# KiCad board SparkFun_RTK_Facet_mosaic_panelized.kicad_pcb (continued)
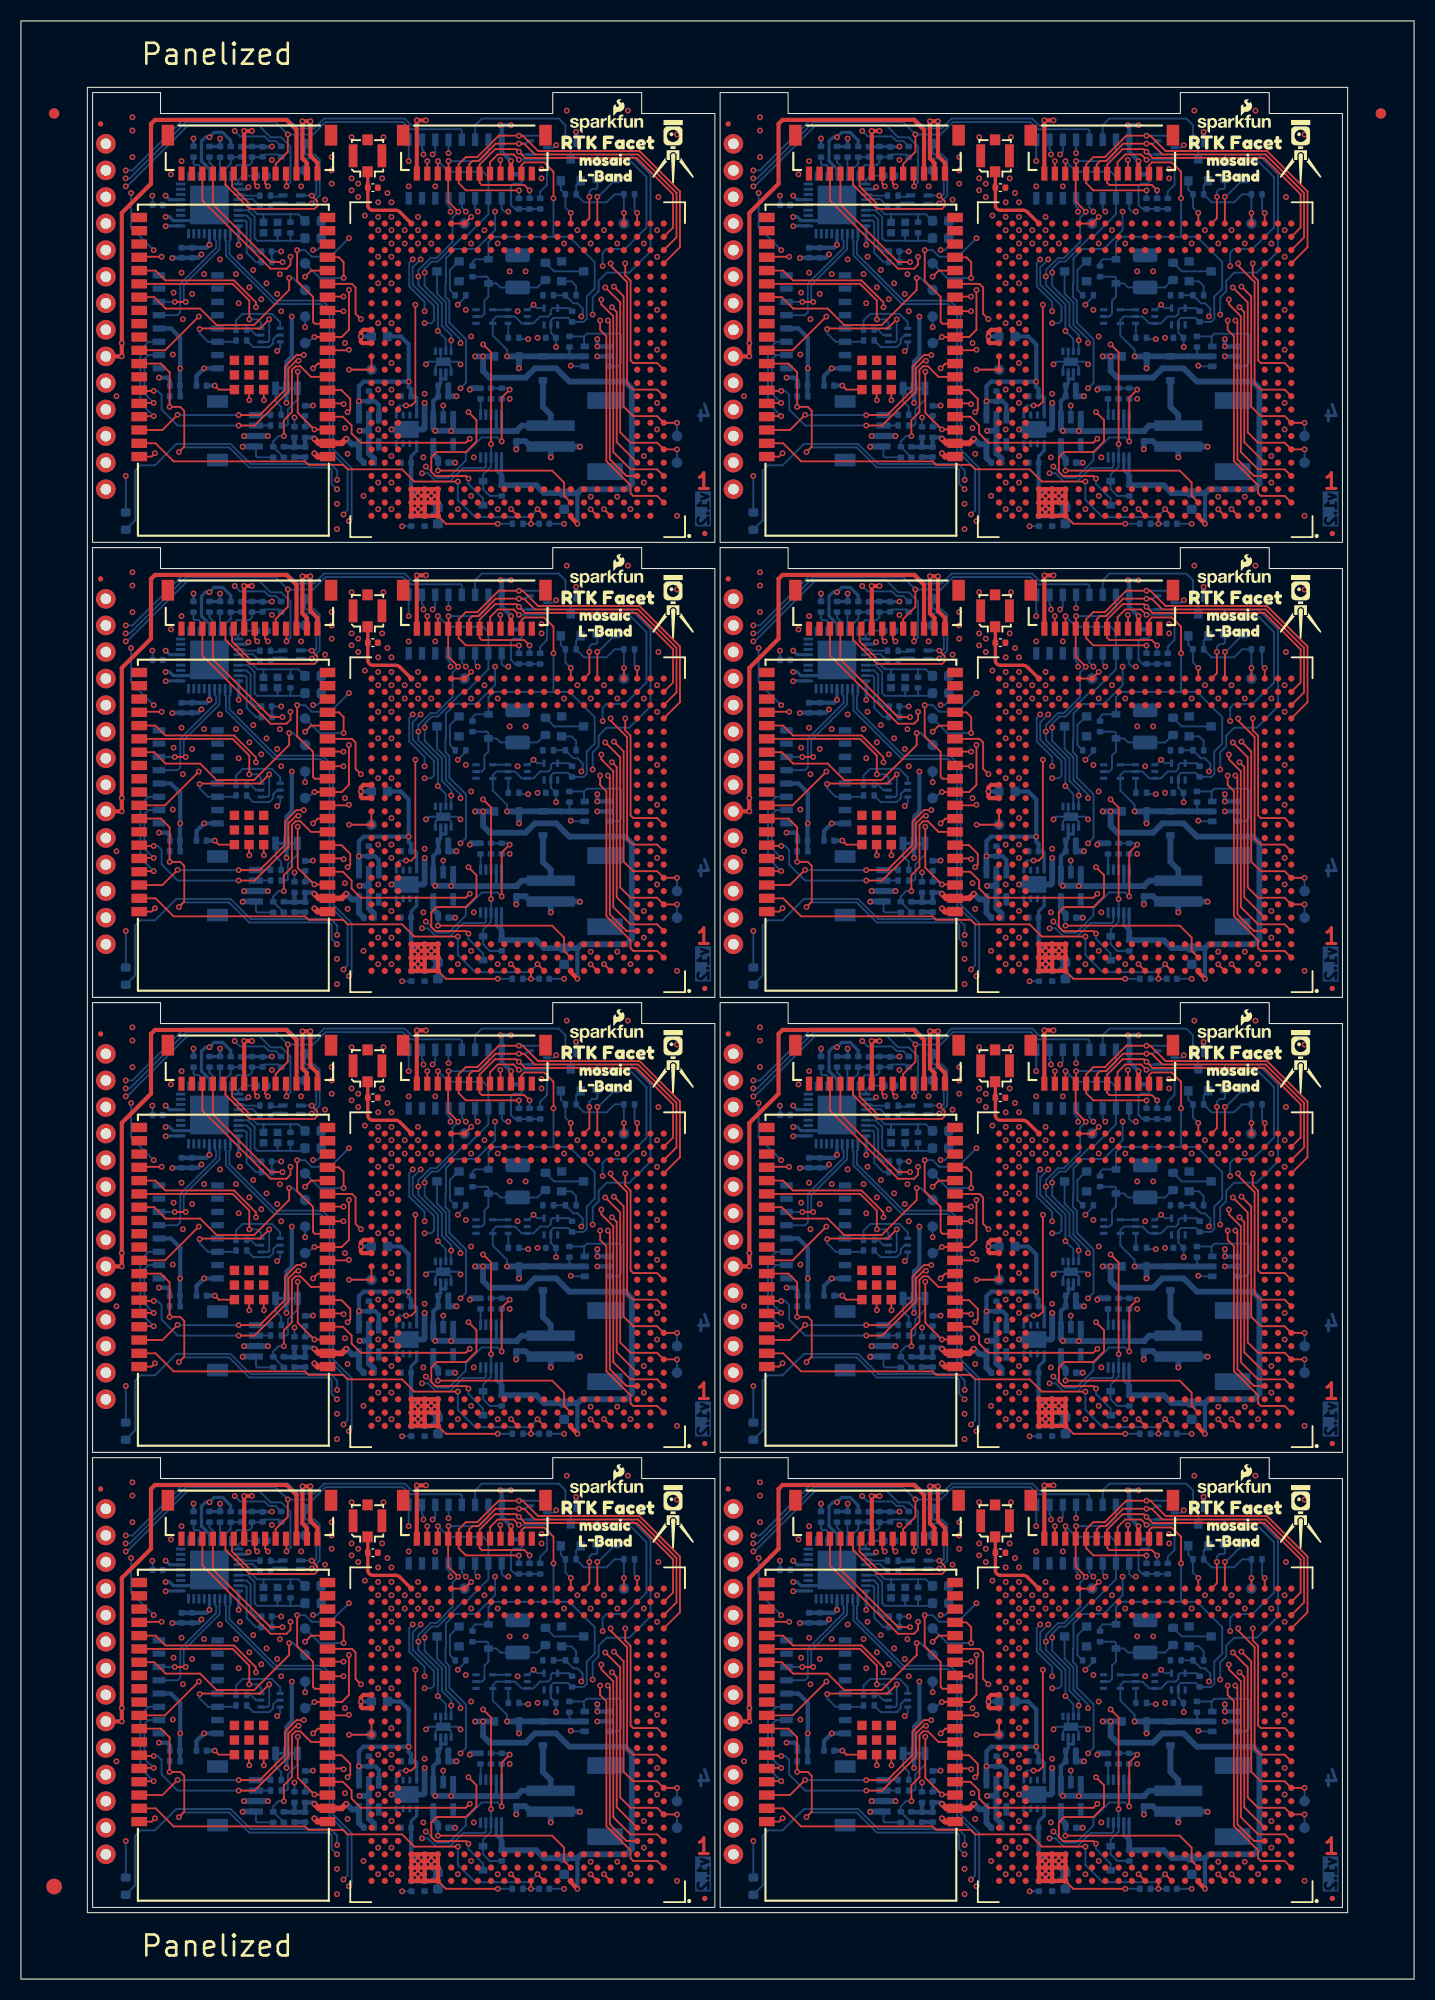
[diagram p0: board, top side]
## Routing (per net, layer and track width the routed paths; a pad name or vN(x,y) marks a point on that pad's centre or on a via; arc(x,y) is an arc through that point) (continued)
MTX3: length 288.6
  Top w0.178: v1(57.78,120.52) 57.78,119.38 58.28,118.87 58.28,111.25 58.54,111 60.82,111 U2#8.M1 ; v1(117.78,120.52) 117.78,119.38 118.28,118.87 118.28,111.25 118.54,111 120.82,111 U2#6.M1 ; U2#4.M1 60.82,24 58.54,24 58.28,24.25 58.28,31.87 57.78,32.38 v1(57.78,33.52) ; v1(57.78,77.02) 57.78,75.88 58.28,75.37 58.28,67.75 58.54,67.5 60.82,67.5 U2#5.M1 ; U2#7.M1 60.82,154.5 58.54,154.5 58.28,154.75 58.28,162.37 57.78,162.88 v1(57.78,164.02) ; U2.M1 120.82,154.5 118.54,154.5 118.28,154.75 118.28,162.37 117.78,162.88 v1(117.78,164.02) ; U2#2.M1 120.82,67.5 118.54,67.5 118.28,67.75 118.28,75.37 117.78,75.88 v1(117.78,77.02) ; v1(117.78,33.52) 117.78,32.38 118.28,31.87 118.28,24.25 118.54,24 120.82,24 U2#3.M1
  In2.Cu w0.178: v1(40.89,131.06) 42.41,131.06 51.57,121.9 57.28,121.9 57.78,121.41 v1(57.78,120.52) ; v1(57.78,33.52) 57.78,34.41 57.28,34.9 51.57,34.9 42.41,44.06 v1(40.89,44.06) ; v1(57.78,164.02) 57.78,164.91 57.28,165.4 51.57,165.4 42.41,174.56 v1(40.89,174.56) ; v1(100.89,87.56) 102.41,87.56 111.57,78.4 117.28,78.4 117.78,77.91 v1(117.78,77.02) ; v1(117.78,120.52) 117.78,121.41 117.28,121.9 111.57,121.9 102.41,131.06 v1(100.89,131.06) ; v1(57.78,77.02) 57.78,77.91 57.28,78.4 51.57,78.4 42.41,87.56 v1(40.89,87.56) ; v1(100.89,174.56) 102.41,174.56 111.57,165.4 117.28,165.4 117.78,164.91 v1(117.78,164.02) ; v1(100.89,44.06) 102.41,44.06 111.57,34.9 117.28,34.9 117.78,34.41 v1(117.78,33.52)
  Bottom w0.178: v1(40.89,44.06) U13#4.12 ; v1(40.89,131.06) U13#7.12 ; v1(100.89,131.06) U13.12 ; v1(40.89,87.56) U13#8.12 ; v1(40.89,174.56) U13#2.12 ; v1(100.89,87.56) U13#6.12 ; v1(100.89,174.56) U13#5.12 ; v1(100.89,44.06) U13#3.12
POWER_BTN: length 685.6
  Top w0.178: v1(50.92,126.74) 50.92,129.28 50.03,130.17 48.12,130.17 47.85,129.9 J4#5.2 ; J4#3.2 107.85,129.9 108.12,130.17 110.03,130.17 110.92,129.28 v1(110.92,126.74) ; v1(110.92,170.24) 110.92,172.78 110.03,173.67 108.12,173.67 107.85,173.4 J4#8.2 ; J4#2.2 47.85,86.4 48.12,86.67 50.03,86.67 50.92,85.78 v1(50.92,83.24) ; J4#4.2 47.85,173.4 48.12,173.67 50.03,173.67 50.92,172.78 v1(50.92,170.24) ; J4.2 107.85,86.4 108.12,86.67 110.03,86.67 110.92,85.78 v1(110.92,83.24) ; J4#7.2 107.85,42.9 108.12,43.17 110.03,43.17 110.92,42.28 v1(110.92,39.74) ; J4#6.2 47.85,42.9 48.12,43.17 50.03,43.17 50.92,42.28 v1(50.92,39.74)
  In2.Cu w0.178: v1(111.17,25.52) 111.17,24.63 109.28,22.74 93.53,22.74 92.06,21.26 85.84,21.26 82.53,24.57 75.55,24.57 72.94,27.17 TP12#6.1 ; v1(51.17,112.52) 51.17,111.63 49.28,109.74 33.53,109.74 32.06,108.26 25.84,108.26 22.53,111.57 15.55,111.57 12.94,114.17 TP12.1 ; TP12#4.1 12.94,27.17 15.55,24.57 22.53,24.57 25.84,21.26 32.06,21.26 33.53,22.74 49.28,22.74 51.17,24.63 v1(51.17,25.52) ; v1(51.17,156.02) 51.17,155.13 49.28,153.24 33.53,153.24 32.06,151.76 25.84,151.76 22.53,155.07 15.55,155.07 12.94,157.67 TP12#5.1 ; v1(111.17,69.02) 111.17,68.13 109.28,66.24 93.53,66.24 92.06,64.76 85.84,64.76 82.53,68.07 75.55,68.07 72.94,70.67 TP12#8.1 ; TP12#3.1 72.94,157.67 75.55,155.07 82.53,155.07 85.84,151.76 92.06,151.76 93.53,153.24 109.28,153.24 111.17,155.13 v1(111.17,156.02) ; v1(111.17,112.52) 111.17,111.63 109.28,109.74 93.53,109.74 92.06,108.26 85.84,108.26 82.53,111.57 75.55,111.57 72.94,114.17 TP12#7.1 ; TP12#2.1 12.94,70.67 15.55,68.07 22.53,68.07 25.84,64.76 32.06,64.76 33.53,66.24 49.28,66.24 51.17,68.13 v1(51.17,69.02)
  Bottom w0.178: v1(110.92,126.74) 110.92,123.06 ; 110.92,123.06 112.44,123.06 114.86,120.65 114.86,118.11 114.09,117.34 114.09,115.68 114.11,115.67 114.11,115.24 113.8,114.93 R22#8.2 112.7,114.93 112.32,115.31 110.92,115.31 110.66,115.06 U6#8.2 110.66,113.89 111.17,113.38 v1(111.17,112.52) ; 110.92,123.06 105.2,123.06 104.7,122.55 D5#6.A 103.43,120.91 103.17,120.65 R33#6.2 ; 110.92,36.06 112.44,36.06 114.86,33.65 114.86,31.11 114.09,30.34 114.09,28.68 114.11,28.67 114.11,28.24 113.8,27.93 R22#5.2 112.7,27.93 112.32,28.31 110.92,28.31 110.66,28.06 U6#7.2 110.66,26.89 111.17,26.38 v1(111.17,25.52) ; 110.92,36.06 v1(110.92,39.74) ; 110.92,36.06 105.2,36.06 104.7,35.55 D5.A 103.43,33.91 103.17,33.65 R33#2.2 ; 110.92,79.56 105.2,79.56 104.7,79.05 D5#7.A 103.43,77.41 103.17,77.15 R33#8.2 ; 110.92,79.56 v1(110.92,83.24) ; 110.92,79.56 112.44,79.56 114.86,77.15 114.86,74.61 114.09,73.84 114.09,72.18 114.11,72.17 114.11,71.74 113.8,71.43 R22#7.2 112.7,71.43 112.32,71.81 110.92,71.81 110.66,71.56 U6#3.2 110.66,70.39 111.17,69.88 v1(111.17,69.02) ; v1(51.17,156.02) 51.17,156.88 50.66,157.39 U6#2.2 50.66,158.56 50.92,158.81 52.32,158.81 52.7,158.43 R22#2.2 53.8,158.43 54.11,158.74 54.11,159.17 54.09,159.18 54.09,160.84 54.86,161.61 54.86,164.15 52.44,166.56 50.92,166.56 ; v1(50.92,39.74) 50.92,36.06 ; 50.92,36.06 52.44,36.06 54.86,33.65 54.86,31.11 54.09,30.34 54.09,28.68 54.11,28.67 54.11,28.24 53.8,27.93 R22.2 52.7,27.93 52.32,28.31 50.92,28.31 50.66,28.06 U6#4.2 50.66,26.89 51.17,26.38 v1(51.17,25.52) ; 50.92,36.06 45.2,36.06 44.7,35.55 D5#5.A 43.43,33.91 43.17,33.65 R33#4.2 ; R33#5.2 103.17,164.15 103.43,164.41 D5#2.A 104.7,166.05 105.2,166.56 110.92,166.56 ; 50.92,123.06 52.44,123.06 54.86,120.65 54.86,118.11 54.09,117.34 54.09,115.68 54.11,115.67 54.11,115.24 53.8,114.93 R22#3.2 52.7,114.93 52.32,115.31 50.92,115.31 50.66,115.06 U6#6.2 50.66,113.89 51.17,113.38 v1(51.17,112.52) ; 50.92,123.06 v1(50.92,126.74) ; 50.92,123.06 45.2,123.06 44.7,122.55 D5#3.A 43.43,120.91 43.17,120.65 R33#7.2 ; v1(50.92,170.24) 50.92,166.56 ; 50.92,166.56 45.2,166.56 44.7,166.05 D5#8.A 43.43,164.41 43.17,164.15 R33#3.2 ; R33.2 43.17,77.15 43.43,77.41 D5#4.A 44.7,79.05 45.2,79.56 50.92,79.56 ; v1(111.17,156.02) 111.17,156.88 110.66,157.39 U6.2 110.66,158.56 110.92,158.81 112.32,158.81 112.7,158.43 R22#4.2 113.8,158.43 114.11,158.74 114.11,159.17 114.09,159.18 114.09,160.84 114.86,161.61 114.86,164.15 112.44,166.56 110.92,166.56 ; v1(51.17,69.02) 51.17,69.88 50.66,70.39 U6#5.2 50.66,71.56 50.92,71.81 52.32,71.81 52.7,71.43 R22#6.2 53.8,71.43 54.11,71.74 54.11,72.17 54.09,72.18 54.09,73.84 54.86,74.61 54.86,77.15 52.44,79.56 50.92,79.56 ; v1(110.92,170.24) 110.92,166.56 ; 50.92,79.56 v1(50.92,83.24)
SD_CLK: length 245.1
  Top w0.178: J4#5.7 42.85,129.98 43.17,130.3 43.72,130.3 45.39,131.97 v1(47.62,131.97) 48.11,131.97 49.14,130.93 59.01,130.93 62.68,127.26 62.68,123.01 U2#8.AA1 ; J4#2.7 42.85,86.48 43.17,86.8 43.72,86.8 45.39,88.47 v1(47.62,88.47) 48.11,88.47 49.14,87.43 59.01,87.43 62.68,83.76 62.68,79.51 U2#5.AA1 ; J4#6.7 42.85,42.98 43.17,43.3 43.72,43.3 45.39,44.97 v1(47.62,44.97) 48.11,44.97 49.14,43.93 59.01,43.93 62.68,40.26 62.68,36.01 U2#4.AA1 ; U2.AA1 122.68,166.51 122.68,170.76 119.01,174.43 109.14,174.43 108.11,175.47 v1(107.62,175.47) 105.39,175.47 103.72,173.8 103.17,173.8 102.85,173.48 J4#8.7 ; U2#2.AA1 122.68,79.51 122.68,83.76 119.01,87.43 109.14,87.43 108.11,88.47 v1(107.62,88.47) 105.39,88.47 103.72,86.8 103.17,86.8 102.85,86.48 J4.7 ; J4#7.7 102.85,42.98 103.17,43.3 103.72,43.3 105.39,44.97 v1(107.62,44.97) 108.11,44.97 109.14,43.93 119.01,43.93 122.68,40.26 122.68,36.01 U2#3.AA1 ; U2#6.AA1 122.68,123.01 122.68,127.26 119.01,130.93 109.14,130.93 108.11,131.97 v1(107.62,131.97) 105.39,131.97 103.72,130.3 103.17,130.3 102.85,129.98 J4#3.7 ; J4#4.7 42.85,173.48 43.17,173.8 43.72,173.8 45.39,175.47 v1(47.62,175.47) 48.11,175.47 49.14,174.43 59.01,174.43 62.68,170.76 62.68,166.51 U2#7.AA1
  Bottom w0.178: v1(107.62,175.47) 108.25,175.47 108.52,175.73 D2#2.5 ; D2#6.5 108.52,45.23 108.25,44.97 v1(107.62,44.97) ; D2.5 48.52,88.73 48.25,88.47 v1(47.62,88.47) ; D2#8.5 48.52,45.23 48.25,44.97 v1(47.62,44.97) ; D2#5.5 108.52,132.23 108.25,131.97 v1(107.62,131.97) ; D2#7.5 48.52,132.23 48.25,131.97 v1(47.62,131.97) ; v1(47.62,175.47) 48.25,175.47 48.52,175.73 D2#3.5 ; v1(107.62,88.47) 108.25,88.47 108.52,88.73 D2#4.5
SD_CMD: length 272.7
  Top w0.178: U2#8.AB1 62.35,123.95 62.35,127.12 58.87,130.6 48.2,130.6 v1(47.62,131.19) 47.36,131.44 45.33,131.44 43.85,129.96 J4#5.6 43.85,128.22 44.06,128.01 48.12,128.01 v1(48.63,127.5) ; v1(48.63,40.5) 48.12,41.01 44.06,41.01 43.85,41.22 J4#6.6 43.85,42.96 45.33,44.44 47.36,44.44 v1(47.62,44.19) 48.2,43.6 58.87,43.6 62.35,40.12 62.35,36.95 U2#4.AB1 ; U2#6.AB1 122.35,123.95 122.35,127.12 118.87,130.6 108.2,130.6 v1(107.62,131.19) 107.36,131.44 105.33,131.44 103.85,129.96 J4#3.6 103.85,128.22 104.06,128.01 108.12,128.01 v1(108.63,127.5) ; U2#2.AB1 122.35,80.45 122.35,83.62 118.87,87.1 108.2,87.1 v1(107.62,87.69) 107.36,87.94 105.33,87.94 103.85,86.46 J4.6 103.85,84.72 104.06,84.51 108.12,84.51 v1(108.63,84) ; v1(48.63,84) 48.12,84.51 44.06,84.51 43.85,84.72 J4#2.6 43.85,86.46 45.33,87.94 47.36,87.94 v1(47.62,87.69) 48.2,87.1 58.87,87.1 62.35,83.62 62.35,80.45 U2#5.AB1 ; v1(48.63,171) 48.12,171.51 44.06,171.51 43.85,171.72 J4#4.6 43.85,173.46 45.33,174.94 47.36,174.94 v1(47.62,174.69) 48.2,174.1 58.87,174.1 62.35,170.62 62.35,167.45 U2#7.AB1 ; U2.AB1 122.35,167.45 122.35,170.62 118.87,174.1 108.2,174.1 v1(107.62,174.69) 107.36,174.94 105.33,174.94 103.85,173.46 J4#8.6 103.85,171.72 104.06,171.51 108.12,171.51 v1(108.63,171) ; U2#3.AB1 122.35,36.95 122.35,40.12 118.87,43.6 108.2,43.6 v1(107.62,44.19) 107.36,44.44 105.33,44.44 103.85,42.96 J4#7.6 103.85,41.22 104.06,41.01 108.12,41.01 v1(108.63,40.5)
  Bottom w0.178: D2#6.4 107.87,43.93 v1(107.62,44.19) ; v1(107.62,174.69) 107.87,174.43 D2#2.4 ; v1(47.62,44.19) 47.87,43.93 D2#8.4 ; v1(107.62,131.19) 107.87,130.93 D2#5.4 ; v1(108.63,171) R37#3.2 ; D2#3.4 47.87,174.43 v1(47.62,174.69) ; v1(47.62,87.69) 47.87,87.43 D2.4 ; D2#4.4 107.87,87.43 v1(107.62,87.69) ; v1(47.62,131.19) 47.87,130.93 D2#7.4 ; v1(48.63,171) R37.2 ; v1(108.63,40.5) R37#8.2 ; v1(108.63,84) R37#2.2 ; v1(108.63,127.5) R37#6.2 ; v1(48.63,84) R37#7.2 ; v1(48.63,40.5) R37#5.2 ; v1(48.63,127.5) R37#4.2
SD_DATA: length 348
  Top w0.178: U2.Y1 123.01,165.57 123.01,170.9 119.14,174.76 109.45,174.76 107.98,176.23 v1(107.62,176.23) 105.68,176.23 103.64,174.18 102.54,174.18 101.85,173.49 J4#8.8 101.85,171.69 102.54,171 107.6,171 v1(107.62,170.99) ; v1(47.62,40.49) 47.6,40.5 42.54,40.5 41.85,41.19 J4#6.8 41.85,42.99 42.54,43.68 43.64,43.68 45.68,45.73 v1(47.62,45.73) 47.98,45.73 49.45,44.26 59.14,44.26 63.01,40.4 63.01,35.07 U2#4.Y1 ; U2#5.Y1 63.01,78.57 63.01,83.9 59.14,87.76 49.45,87.76 47.98,89.23 v1(47.62,89.23) 45.68,89.23 43.64,87.18 42.54,87.18 41.85,86.49 J4#2.8 41.85,84.69 42.54,84 47.6,84 v1(47.62,83.99) ; U2#7.Y1 63.01,165.57 63.01,170.9 59.14,174.76 49.45,174.76 47.98,176.23 v1(47.62,176.23) 45.68,176.23 43.64,174.18 42.54,174.18 41.85,173.49 J4#4.8 41.85,171.69 42.54,171 47.6,171 v1(47.62,170.99) ; v1(107.62,40.49) 107.6,40.5 102.54,40.5 101.85,41.19 J4#7.8 101.85,42.99 102.54,43.68 103.64,43.68 105.68,45.73 v1(107.62,45.73) 107.98,45.73 109.45,44.26 119.14,44.26 123.01,40.4 123.01,35.07 U2#3.Y1 ; U2#6.Y1 123.01,122.07 123.01,127.4 119.14,131.26 109.45,131.26 107.98,132.73 v1(107.62,132.73) 105.68,132.73 103.64,130.68 102.54,130.68 101.85,129.99 J4#3.8 101.85,128.19 102.54,127.5 107.6,127.5 v1(107.62,127.49) ; v1(47.62,127.49) 47.6,127.5 42.54,127.5 41.85,128.19 J4#5.8 41.85,129.99 42.54,130.68 43.64,130.68 45.68,132.73 v1(47.62,132.73) 47.98,132.73 49.45,131.26 59.14,131.26 63.01,127.4 63.01,122.07 U2#8.Y1 ; v1(107.62,83.99) 107.6,84 102.54,84 101.85,84.69 J4.8 101.85,86.49 102.54,87.18 103.64,87.18 105.68,89.23 v1(107.62,89.23) 107.98,89.23 109.45,87.76 119.14,87.76 123.01,83.9 123.01,78.57 U2#2.Y1
  Bottom w0.178: v1(47.62,170.99) R38#3.2 ; v1(47.62,127.49) R38#8.2 ; D2#8.1 50.07,45.23 49.57,45.73 v1(47.62,45.73) ; D2#7.1 50.07,132.23 49.57,132.73 v1(47.62,132.73) ; v1(47.62,176.23) 49.57,176.23 50.07,175.73 D2#3.1 ; D2#5.1 110.07,132.23 109.57,132.73 v1(107.62,132.73) ; v1(107.62,176.23) 109.57,176.23 110.07,175.73 D2#2.1 ; D2.1 50.07,88.73 49.57,89.23 v1(47.62,89.23) ; v1(107.62,40.49) R38#6.2 ; v1(107.62,83.99) R38#2.2 ; v1(107.62,89.23) 109.57,89.23 110.07,88.73 D2#4.1 ; D2#6.1 110.07,45.23 109.57,45.73 v1(107.62,45.73) ; v1(107.62,127.49) R38#5.2 ; v1(47.62,83.99) R38#4.2 ; v1(107.62,170.99) R38.2 ; v1(47.62,40.49) R38#7.2
USB_DM: length 154
  Top w0.178: J5#2.10 19.55,172.4 19.55,171.55 21.87,169.23 28.06,169.23 28.33,169.49 28.33,169.98 v1(27.81,170.5) 27.72,170.59 ; J5#7.10 79.55,41.9 79.55,41.05 81.87,38.73 88.06,38.73 88.33,38.99 88.33,39.48 v1(87.81,40) 87.72,40.09 ; J5#3.10 19.55,128.9 19.55,128.05 21.87,125.73 28.06,125.73 28.33,125.99 28.33,126.48 v1(27.81,127) 27.72,127.09 ; J5#8.10 19.55,41.9 19.55,41.05 21.87,38.73 28.06,38.73 28.33,38.99 28.33,39.48 v1(27.81,40) 27.72,40.09 ; 27.72,83.59 v1(27.81,83.5) 28.33,82.98 28.33,82.49 28.06,82.23 21.87,82.23 19.55,84.55 19.55,85.4 J5#6.10 ; 87.72,170.59 v1(87.81,170.5) 88.33,169.98 88.33,169.49 88.06,169.23 81.87,169.23 79.55,171.55 79.55,172.4 J5#4.10 ; 87.72,127.09 v1(87.81,127) 88.33,126.48 88.33,125.99 88.06,125.73 81.87,125.73 79.55,128.05 79.55,128.9 J5.10 ; J5#5.10 79.55,85.4 79.55,84.55 81.87,82.23 88.06,82.23 88.33,82.49 88.33,82.98 v1(87.81,83.5) 87.72,83.59
  Bottom w0.178: TR1#3.1 87.79,40.02 v1(87.81,40) 88.08,40 88.24,40.15 88.24,43.25 87.93,43.55 87.3,43.55 87.17,43.43 TP19#4.1 ; TR1#5.1 87.79,127.02 v1(87.81,127) 88.08,127 88.24,127.15 88.24,130.25 87.93,130.55 87.3,130.55 87.17,130.43 TP19.1 ; TP19#2.1 27.17,173.93 27.3,174.05 27.93,174.05 28.24,173.75 28.24,170.65 28.08,170.5 v1(27.81,170.5) 27.79,170.52 TR1#7.1 ; TP19#7.1 87.17,173.93 87.3,174.05 87.93,174.05 88.24,173.75 88.24,170.65 88.08,170.5 v1(87.81,170.5) 87.79,170.52 TR1#8.1 ; TP19#3.1 87.17,86.93 87.3,87.05 87.93,87.05 88.24,86.75 88.24,83.65 88.08,83.5 v1(87.81,83.5) 87.79,83.52 TR1.1 ; TR1#6.1 27.79,40.02 v1(27.81,40) 28.08,40 28.24,40.15 28.24,43.25 27.93,43.55 27.3,43.55 27.17,43.43 TP19#8.1 ; TP19#6.1 27.17,86.93 27.3,87.05 27.93,87.05 28.24,86.75 28.24,83.65 28.08,83.5 v1(27.81,83.5) 27.79,83.52 TR1#2.1 ; TR1#4.1 27.79,127.02 v1(27.81,127) 28.08,127 28.24,127.15 28.24,130.25 27.93,130.55 27.3,130.55 27.17,130.43 TP19#5.1
USB_DP: length 142.5
  Top w0.178: J5#3.9 20.19,128.94 20.19,127.89 21.96,126.11 27.66,126.11 v1(27.81,126.25) ; J5#4.9 80.19,172.44 80.19,171.39 81.96,169.61 87.66,169.61 v1(87.81,169.75) ; J5#5.9 80.19,85.44 80.19,84.39 81.96,82.61 87.66,82.61 v1(87.81,82.75) ; J5#8.9 20.19,41.94 20.19,40.89 21.96,39.11 27.66,39.11 v1(27.81,39.25) ; v1(27.81,169.75) 27.66,169.61 21.96,169.61 20.19,171.39 20.19,172.44 J5#2.9 ; v1(87.81,126.25) 87.66,126.11 81.96,126.11 80.19,127.89 80.19,128.94 J5.9 ; J5#7.9 80.19,41.94 80.19,40.89 81.96,39.11 87.66,39.11 v1(87.81,39.25) ; J5#6.9 20.19,85.44 20.19,84.39 21.96,82.61 27.66,82.61 v1(27.81,82.75)
  Bottom w0.178: TP20#2.1 87.17,87.56 87.3,87.43 88.06,87.43 88.57,86.93 88.57,83.51 v1(87.81,82.75) 87.77,82.72 TR1.3 ; TR1#6.3 27.77,39.22 v1(27.81,39.25) 28.57,40.01 28.57,43.43 28.06,43.93 27.3,43.93 27.17,44.06 TP20#5.1 ; TP20#3.1 27.17,174.56 27.3,174.43 28.06,174.43 28.57,173.93 28.57,170.51 v1(27.81,169.75) 27.77,169.72 TR1#7.3 ; TR1#5.3 87.77,126.22 v1(87.81,126.25) 88.57,127.01 88.57,130.43 88.06,130.93 87.3,130.93 87.17,131.06 TP20.1 ; TR1#3.3 87.77,39.22 v1(87.81,39.25) 88.57,40.01 88.57,43.43 88.06,43.93 87.3,43.93 87.17,44.06 TP20#8.1 ; TP20#4.1 27.17,87.56 27.3,87.43 28.06,87.43 28.57,86.93 28.57,83.51 v1(27.81,82.75) 27.77,82.72 TR1#2.3 ; TR1#8.3 87.77,169.72 v1(87.81,169.75) 88.57,170.51 88.57,173.93 88.06,174.43 87.3,174.43 87.17,174.56 TP20#7.1 ; TR1#4.3 27.77,126.22 v1(27.81,126.25) 28.57,127.01 28.57,130.43 28.06,130.93 27.3,130.93 27.17,131.06 TP20#6.1
VANT: length 32.7
  Top w0.406: U2#8.P23 32.63,112.9 32.5,113.03 v1(32.5,113.53) 32.5,113.92 32.76,114.17 U2#8.R23 ; U2.P23 92.63,156.4 92.5,156.53 v1(92.5,157.03) 92.5,157.42 92.76,157.67 U2.R23 ; U2#3.R23 92.76,27.17 92.5,26.92 v1(92.5,26.53) 92.5,26.03 92.63,25.9 U2#3.P23 ; U2#2.P23 92.63,69.4 92.5,69.53 v1(92.5,70.03) 92.5,70.42 92.76,70.67 U2#2.R23 ; U2#5.R23 32.76,70.67 32.5,70.42 v1(32.5,70.03) 32.5,69.53 32.63,69.4 U2#5.P23 ; U2#4.R23 32.76,27.17 32.5,26.92 v1(32.5,26.53) 32.5,26.03 32.63,25.9 U2#4.P23 ; U2#7.P23 32.63,156.4 32.5,156.53 v1(32.5,157.03) 32.5,157.42 32.76,157.67 U2#7.R23 ; U2#6.R23 92.76,114.17 92.5,113.92 v1(92.5,113.53) 92.5,113.03 92.63,112.9 U2#6.P23
  Bottom w0.406: L1#8.2 v1(92.5,113.53) ; L1#3.2 v1(92.5,26.53) ; L1#2.2 v1(32.5,157.03) ; L1.2 v1(32.5,113.53) ; L1#4.2 v1(32.5,26.53) ; L1#5.2 v1(32.5,70.03) ; L1#6.2 v1(92.5,157.03) ; L1#7.2 v1(92.5,70.03)
VRAW: length 967.5
  Top w0.406: J5#6.3 26.35,89.78 25.39,90.74 12.82,90.74 12.44,90.36 12.44,84.64 9.64,81.85 v1(9.64,68.13) TP8#5.1 ; TP8#3.1 v1(9.64,155.13) 9.64,168.85 12.44,171.64 12.44,177.35 12.82,177.74 25.39,177.74 26.35,176.78 J5#2.3 ; TP8#6.1 v1(69.64,111.63) 69.64,125.35 72.44,128.14 72.44,133.85 72.82,134.24 85.39,134.24 86.35,133.28 J5.3 ; J5#3.3 26.35,133.28 25.39,134.24 12.82,134.24 12.44,133.85 12.44,128.14 9.64,125.35 v1(9.64,111.63) TP8#8.1 ; J5#8.3 26.35,46.28 25.39,47.24 12.82,47.24 12.44,46.86 12.44,41.14 9.64,38.35 v1(9.64,24.63) TP8#7.1 ; TP8#4.1 v1(69.64,155.13) 69.64,168.85 72.44,171.64 72.44,177.35 72.82,177.74 85.39,177.74 86.35,176.78 J5#4.3 ; J5#7.3 86.35,46.28 85.39,47.24 72.82,47.24 72.44,46.86 72.44,41.14 69.64,38.35 v1(69.64,24.63) TP8.1 ; J5#5.3 86.35,89.78 85.39,90.74 72.82,90.74 72.44,90.36 72.44,84.64 69.64,81.85 v1(69.64,68.13) TP8#2.1
  In2.Cu w0.406: v1(55.11,26.28) v1(55.11,25.58) 54.72,25.58 54.09,24.95 54.09,22.85 53.46,22.22 v1(37.08,22.22) 33.65,22.22 32.32,20.89 v1(32.32,20.35) 32.32,20.82 25.65,20.82 22.34,24.12 10.15,24.12 v1(9.64,24.63) ; v1(115.11,26.28) v1(115.11,25.58) 114.72,25.58 114.09,24.95 114.09,22.85 113.46,22.22 v1(97.08,22.22) 93.65,22.22 92.32,20.89 v1(92.32,20.35) 92.32,20.82 85.65,20.82 82.34,24.12 70.15,24.12 v1(69.64,24.63) ; v1(69.64,111.63) v1(69.64,112.9) ; v1(69.64,111.63) TP8#6.1 ; v1(69.64,111.63) 70.15,111.12 82.34,111.12 85.65,107.82 92.32,107.82 v1(92.32,107.35) 92.32,107.89 93.65,109.22 v1(97.08,109.22) 113.46,109.22 114.09,109.85 114.09,111.95 114.72,112.58 v1(115.11,112.58) v1(115.11,113.28) ; v1(9.64,24.63) v1(9.64,25.9) ; v1(9.64,24.63) TP8#7.1 ; v1(69.64,155.13) TP8#4.1 ; v1(69.64,155.13) v1(69.64,156.4) ; v1(69.64,155.13) 70.15,154.62 82.34,154.62 85.65,151.32 92.32,151.32 v1(92.32,150.85) 92.32,151.39 93.65,152.72 v1(97.08,152.72) 113.46,152.72 114.09,153.35 114.09,155.45 114.72,156.08 v1(115.11,156.08) v1(115.11,156.78) ; v1(9.64,68.13) TP8#5.1 ; v1(9.64,68.13) 10.15,67.62 22.34,67.62 25.65,64.32 32.32,64.32 v1(32.32,63.85) 32.32,64.39 33.65,65.72 v1(37.08,65.72) 53.46,65.72 54.09,66.35 54.09,68.45 54.72,69.08 v1(55.11,69.08) v1(55.11,69.78) ; v1(9.64,68.13) v1(9.64,69.4) ; v1(69.64,24.63) v1(69.64,25.9) ; v1(69.64,24.63) TP8.1 ; v1(115.11,69.78) v1(115.11,69.08) 114.72,69.08 114.09,68.45 114.09,66.35 113.46,65.72 v1(97.08,65.72) 93.65,65.72 92.32,64.39 v1(92.32,63.85) 92.32,64.32 85.65,64.32 82.34,67.62 70.15,67.62 v1(69.64,68.13) ; v1(69.64,68.13) TP8#2.1 ; v1(69.64,68.13) v1(69.64,69.4) ; v1(9.64,111.63) v1(9.64,112.9) ; v1(9.64,111.63) 10.15,111.12 22.34,111.12 25.65,107.82 32.32,107.82 v1(32.32,107.35) 32.32,107.89 33.65,109.22 v1(37.08,109.22) 53.46,109.22 54.09,109.85 54.09,111.95 54.72,112.58 v1(55.11,112.58) v1(55.11,113.28) ; v1(9.64,111.63) TP8#8.1 ; v1(55.11,156.78) v1(55.11,156.08) 54.72,156.08 54.09,155.45 54.09,153.35 53.46,152.72 v1(37.08,152.72) 33.65,152.72 32.32,151.39 v1(32.32,150.85) 32.32,151.32 25.65,151.32 22.34,154.62 10.15,154.62 v1(9.64,155.13) ; v1(9.64,155.13) v1(9.64,156.4) ; v1(9.64,155.13) TP8#3.1
  Bottom w0.305: C7#3.1 37.71,64.32 37.84,64.19 U7#5.8 ; U7.8 97.84,107.69 97.71,107.82 C7#6.1 ; C7#4.1 37.71,20.82 37.84,20.69 U7#6.8 ; U7#8.8 97.84,20.69 97.71,20.82 C7#7.1 ; C7.1 37.71,151.32 37.84,151.19 U7#4.8 ; U7#2.8 97.84,151.19 97.71,151.32 C7#8.1 ; C7#5.1 97.71,64.32 97.84,64.19 U7#7.8 ; C7#2.1 37.71,107.82 37.84,107.69 U7#3.8
  Bottom w0.406: C7.1 37.3,151.98 37.08,152.21 v1(37.08,152.72) ; 35.06,70.03 36.31,70.03 37.08,69.27 v1(37.08,65.72) ; v1(37.08,65.72) 32.76,65.72 32.32,65.28 v1(32.32,63.85) 33.26,63.85 C22#8.1 33.87,63.84 34.22,63.5 U11#7.3 ; v1(37.08,65.72) 37.08,65.21 37.3,64.98 C7#3.1 ; C7#2.1 37.3,108.48 37.08,108.71 v1(37.08,109.22) ; v1(55.11,113.28) v1(55.11,112.58) Q2#5.4 ; v1(115.11,26.28) v1(115.11,25.58) Q2.4 ; 35.06,113.53 36.31,113.53 37.08,112.77 v1(37.08,109.22) ; U11#3.3 34.22,107 33.87,107.34 C22#2.1 33.26,107.35 v1(32.32,107.35) 32.32,108.78 32.76,109.22 v1(37.08,109.22) ; C7#6.1 97.3,108.48 97.08,108.71 v1(97.08,109.22) ; v1(55.11,156.78) v1(55.11,156.08) Q2#7.4 ; U11.3 34.22,20 33.87,20.34 C22#4.1 33.26,20.35 v1(32.32,20.35) 32.32,21.78 32.76,22.22 v1(37.08,22.22) ; 35.06,26.53 36.31,26.53 37.08,25.77 v1(37.08,22.22) ; v1(97.08,109.22) 97.08,112.77 96.31,113.53 L1#8.1 ; v1(97.08,109.22) 92.76,109.22 92.32,108.78 v1(92.32,107.35) 93.26,107.35 C22.1 93.87,107.34 94.22,107 U11#4.3 ; Q2#2.4 v1(115.11,69.08) v1(115.11,69.78) ; Q2#4.4 v1(115.11,112.58) v1(115.11,113.28) ; U11#2.3 94.22,20 93.87,20.34 C22#6.1 93.26,20.35 v1(92.32,20.35) 92.32,21.78 92.76,22.22 v1(97.08,22.22) ; Q2#8.4 v1(55.11,25.58) v1(55.11,26.28) ; v1(37.08,22.22) 37.08,21.71 37.3,21.48 C7#4.1 ; L1#3.1 96.31,26.53 97.08,25.77 v1(97.08,22.22) ; v1(115.11,156.78) v1(115.11,156.08) Q2#6.4 ; U11#5.3 94.22,63.5 93.87,63.84 C22#3.1 93.26,63.85 v1(92.32,63.85) 92.32,65.28 92.76,65.72 v1(97.08,65.72) ; L1#7.1 96.31,70.03 97.08,69.27 v1(97.08,65.72) ; v1(37.08,152.72) 37.08,156.27 36.31,157.03 35.06,157.03 ; v1(37.08,152.72) 32.76,152.72 32.32,152.28 v1(32.32,150.85) 33.26,150.85 C22#7.1 33.87,150.84 34.22,150.5 U11#6.3 ; v1(97.08,65.72) 97.08,65.21 97.3,64.98 C7#5.1 ; L1#6.1 96.31,157.03 97.08,156.27 v1(97.08,152.72) ; C7#7.1 97.3,21.48 97.08,21.71 v1(97.08,22.22) ; C7#8.1 97.3,151.98 97.08,152.21 v1(97.08,152.72) ; v1(97.08,152.72) 92.76,152.72 92.32,152.28 v1(92.32,150.85) 93.26,150.85 C22#5.1 93.87,150.84 94.22,150.5 U11#8.3 ; v1(55.11,69.78) v1(55.11,69.08) Q2#3.4
  Bottom w0.559: U11.1 v1(32.32,20.35) ; U11#4.1 v1(92.32,107.35) ; U11#6.1 v1(32.32,150.85) ; U11#2.1 v1(92.32,20.35) ; U11#8.1 v1(92.32,150.85) ; U11#7.1 v1(32.32,63.85) ; U11#5.1 v1(92.32,63.85) ; U11#3.1 v1(32.32,107.35)
VUSB: length 1242.5
  Top w0.305: 88.35,86 88.35,85.31 ; 88.35,42.5 88.35,41.81 ; 28.35,173 28.35,172.31 ; 28.35,129.5 28.35,128.81 ; 88.35,129.5 88.35,128.81 ; 88.35,173 88.35,172.31 ; 28.35,86 28.35,85.31 ; 28.35,42.5 28.35,41.81
  Top w0.406: v1(98.73,90.7) v1(97.85,90.7) J4.12 ; J5#4.2 87.35,173.62 86.92,174.05 v1(86.92,177.61) v1(87.68,177.61) 87.68,174.31 88.35,173.63 J5#4.1 ; J5#6.2 27.35,86.62 26.92,87.05 v1(26.92,90.61) v1(27.68,90.61) 27.68,87.31 28.35,86.64 J5#6.1 ; J4#6.12 v1(37.85,47.2) v1(38.73,47.2) ; U2#7.A8 52.57,139.76 v1(53.21,139.13) ; U2#2.A8 112.57,52.76 v1(113.21,52.13) ; U2#5.A8 52.57,52.76 v1(53.21,52.13) ; U2#3.A8 112.57,9.26 v1(113.21,8.63) ; J5#7.1 88.35,43.14 87.68,43.81 v1(87.68,47.11) v1(86.92,47.11) 86.92,43.55 87.35,43.12 J5#7.2 ; U2.A8 112.57,139.76 v1(113.21,139.13) ; J5#3.2 27.35,130.12 26.92,130.55 v1(26.92,134.11) v1(27.68,134.11) 27.68,130.81 28.35,130.13 J5#3.1 ; J5#2.2 27.35,173.62 26.92,174.05 v1(26.92,177.61) v1(27.68,177.61) 27.68,174.31 28.35,173.63 J5#2.1 ; J4#5.12 v1(37.85,134.2) v1(38.73,134.2) ; v1(98.73,47.2) v1(97.85,47.2) J4#7.12 ; J5.1 88.35,130.13 87.68,130.81 v1(87.68,134.11) v1(86.92,134.11) 86.92,130.55 87.35,130.12 J5.2 ; J4#8.12 v1(97.85,177.7) v1(98.73,177.7) ; J5#8.1 28.35,43.14 27.68,43.81 v1(27.68,47.11) v1(26.92,47.11) 26.92,43.55 27.35,43.12 J5#8.2 ; J5#5.2 87.35,86.62 86.92,87.05 v1(86.92,90.61) v1(87.68,90.61) 87.68,87.31 88.35,86.64 J5#5.1 ; J4#2.12 v1(37.85,90.7) v1(38.73,90.7) ; v1(38.73,177.7) v1(37.85,177.7) J4#4.12 ; v1(53.21,95.63) 52.57,96.26 U2#8.A8 ; v1(113.21,95.63) 112.57,96.26 U2#6.A8 ; v1(53.21,8.63) 52.57,9.26 U2#4.A8 ; v1(98.73,134.2) v1(97.85,134.2) J4#3.12
  In2.Cu w0.178: 20.57,90.74 20.44,90.61 v1(20.44,89.68) ; 80.57,177.74 80.44,177.61 v1(80.44,176.68) ; 80.57,47.24 80.44,47.11 v1(80.44,46.18) ; v1(20.44,176.68) 20.44,177.61 20.57,177.74 ; v1(20.44,133.18) 20.44,134.11 20.57,134.24 ; v1(80.44,89.68) 80.44,90.61 80.57,90.74 ; v1(20.44,46.18) 20.44,47.11 20.57,47.24 ; 80.57,134.24 80.44,134.11 v1(80.44,133.18)
  In2.Cu w0.406: v1(38.73,177.7) v1(37.85,177.7) 37.7,177.85 27.92,177.85 v1(27.68,177.61) v1(26.92,177.61) ; v1(86.92,90.61) v1(87.68,90.61) 87.92,90.85 97.7,90.85 v1(97.85,90.7) v1(98.73,90.7) ; v1(98.73,134.2) v1(97.85,134.2) 97.7,134.35 87.92,134.35 v1(87.68,134.11) v1(86.92,134.11) ; v1(38.73,90.7) v1(37.85,90.7) 37.7,90.85 27.92,90.85 v1(27.68,90.61) v1(26.92,90.61) ; v1(86.92,177.61) v1(87.68,177.61) 87.92,177.85 97.7,177.85 v1(97.85,177.7) v1(98.73,177.7) ; v1(38.73,134.2) v1(37.85,134.2) 37.7,134.35 27.92,134.35 v1(27.68,134.11) v1(26.92,134.11) ; v1(98.73,47.2) v1(97.85,47.2) 97.7,47.35 87.92,47.35 v1(87.68,47.11) v1(86.92,47.11) ; v1(26.92,47.11) v1(27.68,47.11) 27.92,47.35 37.7,47.35 v1(37.85,47.2) v1(38.73,47.2)
  In2.Cu w0.559: 11.3,75.75 11.3,73.85 15.99,69.15 22.98,69.15 26.28,65.84 31.37,65.84 32.09,66.56 32.09,66.57 33.76,68.24 42.8,68.24 42.92,68.13 v1(43.43,68.13) v1(44.19,68.13) ; 11.3,75.75 TP13#7.1 ; 11.3,75.75 11.3,84.77 17.26,90.74 26.79,90.74 v1(26.92,90.61) ; TP13.1 71.29,162.75 ; 71.29,162.75 71.29,171.77 77.26,177.74 86.79,177.74 v1(86.92,177.61) ; 71.29,162.75 71.29,160.85 75.99,156.15 82.98,156.15 86.28,152.84 91.37,152.84 92.09,153.56 92.09,153.57 93.76,155.24 102.8,155.24 102.92,155.13 v1(103.43,155.13) v1(104.19,155.13) ; 11.3,162.75 11.3,160.85 15.99,156.15 22.98,156.15 26.28,152.84 31.37,152.84 32.09,153.56 32.09,153.57 33.76,155.24 42.8,155.24 42.92,155.13 v1(43.43,155.13) v1(44.19,155.13) ; 11.3,162.75 TP13#6.1 ; 11.3,162.75 11.3,171.77 17.26,177.74 26.79,177.74 v1(26.92,177.61) ; v1(104.19,24.63) v1(103.43,24.63) 102.92,24.63 102.8,24.74 93.76,24.74 92.09,23.07 92.09,23.06 91.37,22.34 86.28,22.34 82.98,25.65 75.99,25.65 71.29,30.35 71.29,32.25 ; v1(26.92,134.11) 26.79,134.24 17.26,134.24 11.3,128.27 11.3,119.25 ; 11.3,32.25 11.3,30.35 15.99,25.65 22.98,25.65 26.28,22.34 31.37,22.34 32.09,23.06 32.09,23.07 33.76,24.74 42.8,24.74 42.92,24.63 v1(43.43,24.63) v1(44.19,24.63) ; 11.3,32.25 11.3,41.27 17.26,47.24 26.79,47.24 v1(26.92,47.11) ; 11.3,32.25 TP13#5.1 ; TP13#2.1 71.29,119.25 ; 71.29,119.25 71.29,128.27 77.26,134.24 86.79,134.24 v1(86.92,134.11) ; 71.29,119.25 71.29,117.35 75.99,112.65 82.98,112.65 86.28,109.34 91.37,109.34 92.09,110.06 92.09,110.07 93.76,111.74 102.8,111.74 102.92,111.63 v1(103.43,111.63) v1(104.19,111.63) ; TP13#4.1 71.29,32.25 ; 71.29,32.25 71.29,41.27 77.26,47.24 86.79,47.24 v1(86.92,47.11) ; 71.29,75.75 71.29,73.85 75.99,69.15 82.98,69.15 86.28,65.84 91.37,65.84 92.09,66.56 92.09,66.57 93.76,68.24 102.8,68.24 102.92,68.13 v1(103.43,68.13) v1(104.19,68.13) ; 71.29,75.75 TP13#8.1 ; 71.29,75.75 71.29,84.77 77.26,90.74 86.79,90.74 v1(86.92,90.61) ; TP13#3.1 11.3,119.25 ; 11.3,119.25 11.3,117.35 15.99,112.65 22.98,112.65 26.28,109.34 31.37,109.34 32.09,110.06 32.09,110.07 33.76,111.74 42.8,111.74 42.92,111.63 v1(43.43,111.63) v1(44.19,111.63)